# Altium PCB R3D903.PcbDoc (continued)
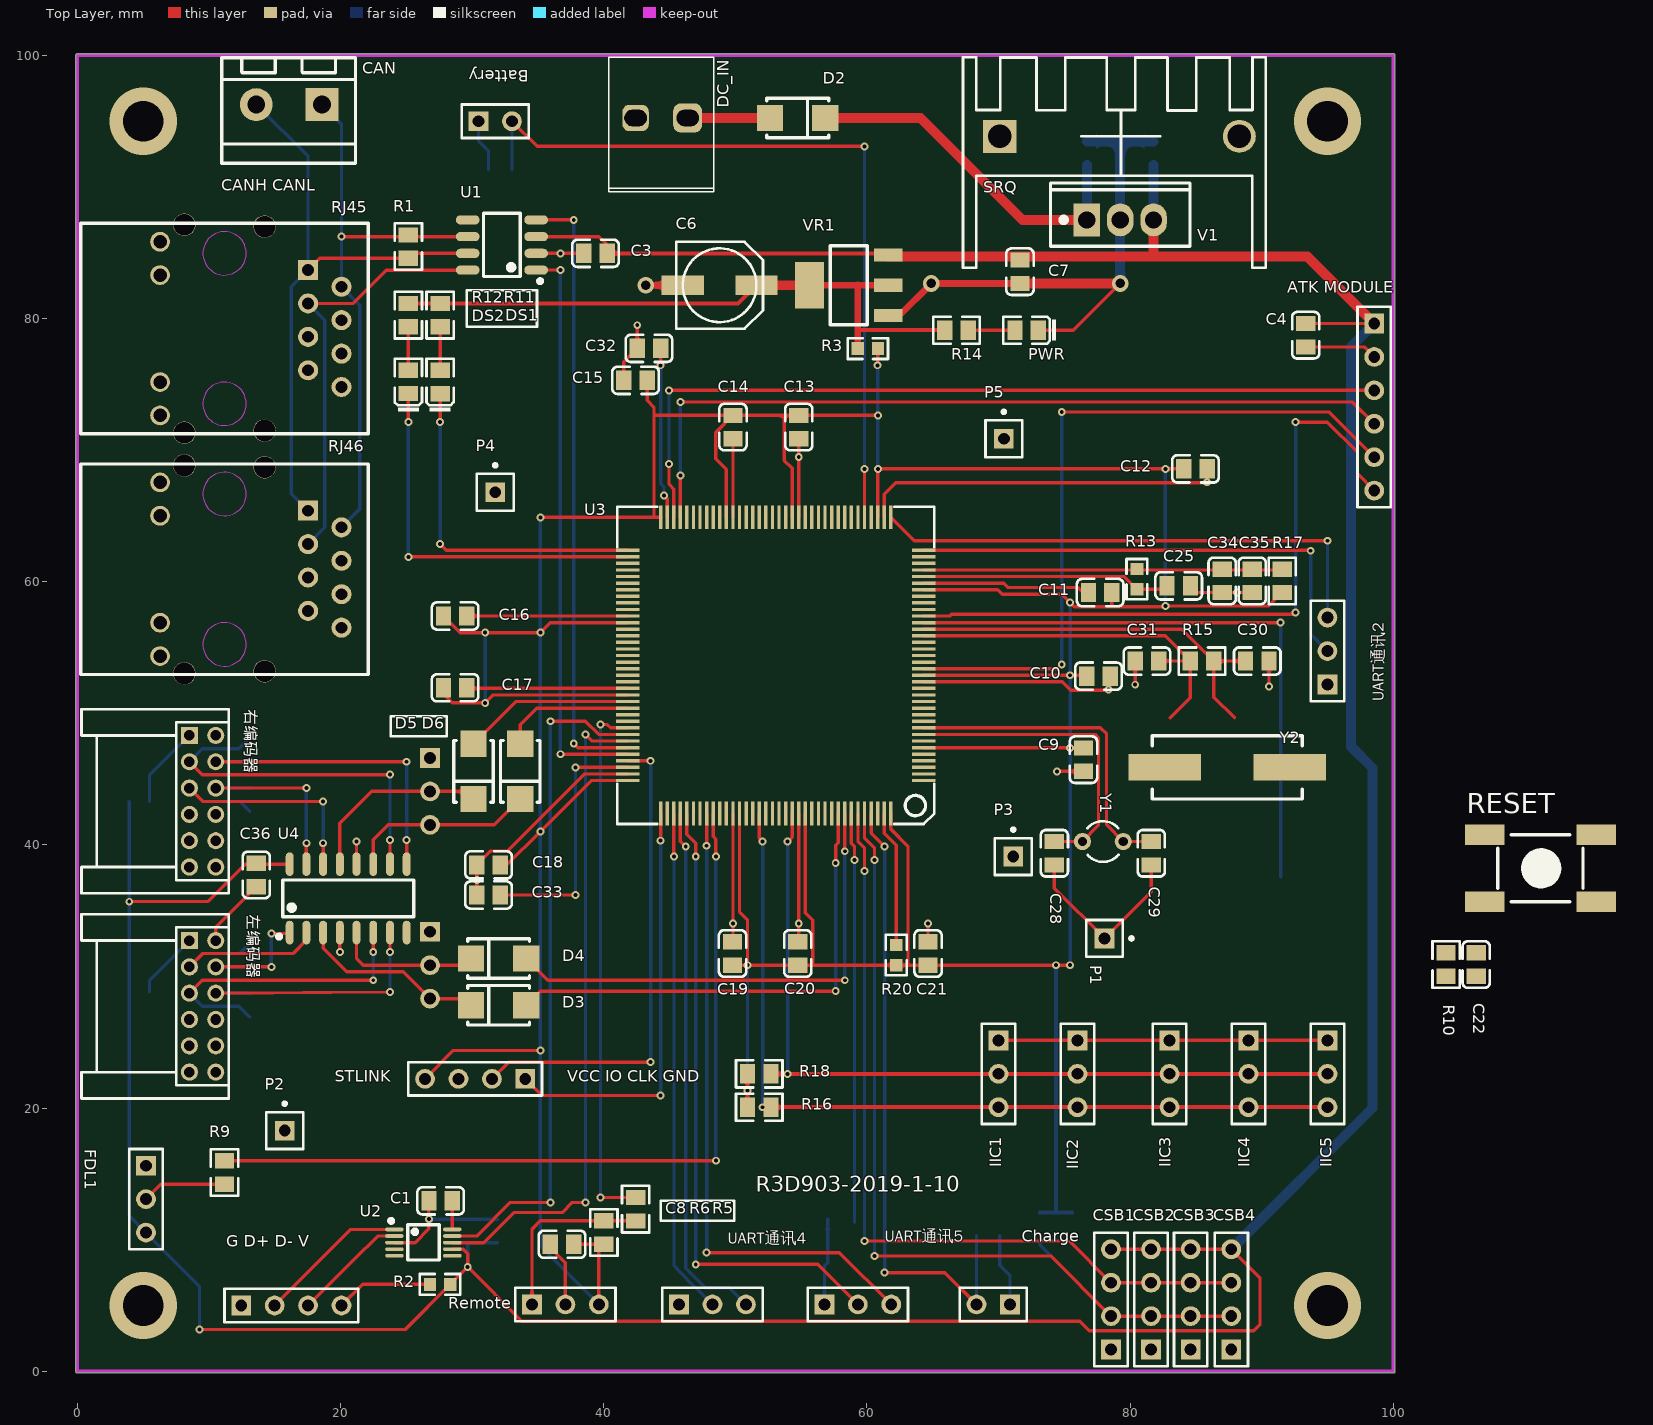
[diagram p0: Top Layer view]
## Footprints (in the part's own frame and the unit in brackets; to place one, negate y for a bottom-side part, rotate by r counter-clockwise, add the part's x,y. Pads: shape width x height; smd on the part's side, far side on the other; paste and mask are expansions set on the pad) (continued)
KEY_M [mm]
  rect 3x1.575 smd: 1(0,0) 1(8.5,0) 2(0,-5.08) 2(8.5,-5.08)
  silkscreen extent 1,-5.08 7.48,0
LC-0603_R [mm]
  rect 0.93x0.98 smd: 1(-0.77,0) 2(0.77,0)
  silkscreen extent -1.54,-0.79 1.54,0.79, body extent -0.85,-0.4 0.85,0.4, height 0.56
LC-0805_C [mm]
  rect 1.16x1.47 smd: 1(-0.89,0) 2(0.89,0)
  silkscreen extent -1.77,-1.04 1.77,1.04, body extent -1,-0.62 1,0.63, height 0.77
LC-0805_LED_S1 [mm]
  rect 1.16x1.47 smd: A(0.89,0) K(-0.89,0)
  silkscreen extent -2.25,-1.04 1.77,1.03, body extent -1.01,-0.62 1.01,0.62, height 1.1
LC-0805_R [mm]
  rect 1.16x1.47 smd: 1(-0.89,0) 2(0.89,0)
  silkscreen extent -1.77,-1.04 1.77,1.03, body extent -1,-0.62 1,0.63, height 0.49
LC-HC-49SMD [mm]
  rect 5.5x2 smd: 1(-4.75,0) 2(4.75,0)
  silkscreen extent -5.7,-2.4 5.7,2.4, body extent -6.7,-2.46 6.7,2.44, height 4
LC-MSOP-10 [mm]
  oval 0.28x1.4 smd mask+0.051: 1(-1,-2.2) 2(-0.5,-2.2) 3(0,-2.2) 4(0.5,-2.2) 5(1,-2.2) 6(1,2.2) 7(0.5,2.2) 8(0,2.2) 9(-0.5,2.2) 10(-1,2.2)
  silkscreen extent -1.8,-2.6 1.33,1.2
LC-SMA(DO-214AC)_S1 [mm]
  rect 2x2 smd: 1(2.1,0) 2(-2.1,0)
  silkscreen extent -2.35,-1.5 2.35,1.5
LC-SOIC-8_150mil [mm]
  oval 0.7x1.8 smd: 1(-1.905,-2.6) 2(-0.635,-2.6) 3(0.635,-2.6) 4(1.905,-2.6) 5(1.905,2.6) 6(0.635,2.6) 7(-0.635,2.6) 8(-1.905,2.6)
  silkscreen extent -2.9,-3.05 2.4,1.4
LC-SOIC-16_150mil [mm]
  oval 0.6x1.8 smd: 1(-4.445,-2.6) 2(-3.175,-2.6) 3(-1.905,-2.6) 4(-0.635,-2.6) 5(0.635,-2.6) 6(1.905,-2.6) 7(3.175,-2.6) 8(4.445,-2.6) 9(4.445,2.6) 10(3.175,2.6) 11(1.905,2.6) 12(0.635,2.6) 13(-0.635,2.6) 14(-1.905,2.6) 15(-3.175,2.6) 16(-4.445,2.6)
  silkscreen extent -5.4,-3.05 4.97,1.4
LC-SOT-223 [mm]
  rect 2.2x1 smd: 1(3,-2.3) 2(3,0) 3(3,2.3)
  rect 2.2x3.5 smd: 2(-3,0)
  silkscreen extent -1.4,-3 1.4,3, body extent -3.49,-3.24 3.49,3.24, height 1.64
LC-TO-220(TO-220-3) [mm]
  rect 2x2.5 hole 1.3: 1(-2.54,0)
  oval 2x2.5 hole 1.3: 2(0,0) 3(2.54,0)
  silkscreen extent -5.3,-2 5.3,2.8, body extent -5.08,-1.45 5.08,2.9, height 19.6
LQFP144 [mm]
  rect 1.8x0.254 smd: 1(-0.009,0.001) 2(-0.009,-0.499) 3(-0.009,-0.999) 4(-0.009,-1.499) 5(-0.009,-1.999) 6(-0.009,-2.499) 7(-0.009,-2.999) 8(-0.009,-3.499) 9(-0.009,-3.999) 10(-0.009,-4.499) 11(-0.009,-4.999) 12(-0.009,-5.499) 13(-0.009,-5.999) 14(-0.009,-6.499) 15(-0.009,-6.999) 16(-0.009,-7.499) 17(-0.009,-7.999) 18(-0.009,-8.499) 19(-0.009,-8.999) 20(-0.009,-9.499) 21(-0.009,-9.999) 22(-0.009,-10.499) 23(-0.009,-10.999) 24(-0.009,-11.499) 25(-0.009,-11.999) 26(-0.009,-12.499) 27(-0.009,-12.999) 28(-0.009,-13.499) 29(-0.009,-13.999) 30(-0.009,-14.499) 31(-0.009,-14.999) 32(-0.009,-15.499) 33(-0.009,-15.999) 34(-0.009,-16.499) 35(-0.009,-16.999) 36(-0.009,-17.499) 73(22.491,-17.499) 74(22.491,-16.999) 75(22.491,-16.499) 76(22.491,-15.999) 77(22.491,-15.499) 78(22.491,-14.999) 79(22.491,-14.499) 80(22.491,-13.999) 81(22.491,-13.499) 82(22.491,-12.999) 83(22.491,-12.499) 84(22.491,-11.999) 85(22.491,-11.499) 86(22.491,-10.999) 87(22.491,-10.499) 88(22.491,-9.999) 89(22.491,-9.499) 90(22.491,-8.999) 91(22.491,-8.499) 92(22.491,-7.999) 93(22.491,-7.499) 94(22.491,-6.999) 95(22.491,-6.499) 96(22.491,-5.999) 97(22.491,-5.499) 98(22.491,-4.999) 99(22.491,-4.499) 100(22.491,-3.999) 101(22.491,-3.499) 102(22.491,-2.999) 103(22.491,-2.499) 104(22.491,-1.999) 105(22.491,-1.499) 106(22.491,-0.999) 107(22.491,-0.499) 108(22.491,0.001)
  rect 0.254x1.8 smd: 37(2.491,-19.999) 38(2.991,-19.999) 39(3.491,-19.999) 40(3.991,-19.999) 41(4.491,-19.999) 42(4.991,-19.999) 43(5.491,-19.999) 44(5.991,-19.999) 45(6.491,-19.999) 46(6.991,-19.999) 47(7.491,-19.999) 48(7.991,-19.999) 49(8.491,-19.999) 50(8.991,-19.999) 51(9.491,-19.999) 52(9.991,-19.999) 53(10.491,-19.999) 54(10.991,-19.999) 55(11.491,-19.999) 56(11.991,-19.999) 57(12.491,-19.999) 58(12.991,-19.999) 59(13.491,-19.999) 60(13.991,-19.999) 61(14.491,-19.999) 62(14.991,-19.999) 63(15.491,-19.999) 64(15.991,-19.999) 65(16.491,-19.999) 66(16.991,-19.999) 67(17.491,-19.999) 68(17.991,-19.999) 69(18.491,-19.999) 70(18.991,-19.999) 71(19.491,-19.999) 72(19.991,-19.999) 109(19.991,2.501) 110(19.491,2.501) 111(18.991,2.501) 112(18.491,2.501) 113(17.991,2.501) 114(17.491,2.501) 115(16.991,2.501) 116(16.491,2.501) 117(15.991,2.501) 118(15.491,2.501) 119(14.991,2.501) 120(14.491,2.501) 121(13.991,2.501) 122(13.491,2.501) 123(12.991,2.501) 124(12.491,2.501) 125(11.991,2.501) 126(11.491,2.501) 127(10.991,2.501) 128(10.491,2.501) 129(9.991,2.501) 130(9.491,2.501) 131(8.991,2.501) 132(8.491,2.501) 133(7.991,2.501) 134(7.491,2.501) 135(6.991,2.501) 136(6.491,2.501) 137(5.991,2.501) 138(5.491,2.501) 139(4.991,2.501) 140(4.491,2.501) 141(3.991,2.501) 142(3.491,2.501) 143(2.991,2.501) 144(2.491,2.501)
  silkscreen extent -0.81,-20.8 23.29,3.3
PHB_2x6_2.0 [mm] "Connector; Header; 6x2 Position"
  rect 1.3x1.3 hole 0.8: 1(0,0)
  round 1.3 hole 0.8: 2(0,2) 3(2,0) 4(2,2) 5(4,0) 6(4,2) 7(6,0) 8(6,2) 9(8,0) 10(8,2) 11(10,0) 12(10,2)
  silkscreen extent -2,-8.2 12,3
PIN1 [mm] "Connector; Plug"
  rect 1.5x1.5 hole 0.9: 1(0,0)
  silkscreen extent -1.4,-1.4 1.4,2.18
R38 [mm] "Crystal, Thru-Hole; 2 Leads; Body 3.1 x 8.2 mm (Dia.xH)"
  round 1.3 hole 0.7: 1(0,1.55) 2(0,-1.55)
  silkscreen extent -1.55,-1.19 1.55,1.17
RJ45 [mm]
  rect 1.524x1.524 hole 0.889: 1(10.168,-6.35)
  round 1.524 hole 0.889: 2(8.898,-8.89) 3(7.628,-6.35) 4(6.358,-8.89) 5(5.088,-6.35) 6(3.818,-8.89) 7(2.548,-6.35) 8(1.278,-8.89)
  round 1.5 hole 1.02: 9(12.318,4.9) 10(9.782,4.9) 11(1.654,4.9) 12(-0.882,4.9)
  round 1.7 hole 1.65: 13(13.468,-3.048) 13(13.605,3.05) 14(-2.2,3.05) 14(-2.032,-3.048)
  Keep-Out Layer circle w0.051: c11.434,0 r1.65
  Keep-Out Layer circle w0.051: c0.004,0 r1.65
  silkscreen extent -2.28,-10.92 13.72,10.92
"VH-2A - Circle Hole" [mm] "Header 2 use for Power"
  rrect50% 2.2x2.2 hole 1.24 slot 1.7 at 0 deg: 1(0,0)
  rrect50% 2x2 hole 1.24 slot 1.7 at 0 deg: 2(3.96,0)
  silkscreen extent -1.98,-4.6 6.02,5.61

## Part data
"ATK MODULE": "Header, 6-Pin", LatestRevisionDate=17-Jul-2002, LatestRevisionNote="Re-released for DXP Platform.", Publisher="Altium Limited"
Battery Charge: "Header, 2-Pin", LatestRevisionDate=17-Jul-2002, LatestRevisionNote="Re-released for DXP Platform.", Publisher="Altium Limited"
C1 C2 C3 C4 C8 C9 C10 C11 C12 C13 C14 C15 C16 C17 C18 C19 C20 C21 C22 C24 C35: library part "0805 100nF(104) 10% 50V", "贴片电容", Package=0805, SuppliersPartNumber=C49678, ComponentLink1Description=供应商链接, ComponentLink1URL=http://www.szlcsc.com/product/details_50686.html, Supplier=LC
C5 C7 C34: library part "0805 10uF (106) 10% 25V", "贴片电容", Package=0805, SuppliersPartNumber=C15850, ComponentLink1Description=供应商链接, ComponentLink1URL=http://www.szlcsc.com/product/details_16532.html, Supplier=LC
C6: library part CAP
C23: library part "0805 330nF (334) 10% 50V", "贴片电容", Package=0805, SuppliersPartNumber=C1740, ComponentLink1Description=供应商链接, ComponentLink1URL=http://www.szlcsc.com/product/details_2092.html, Supplier=LC
C25 C32 C33: library part "0805 2.2uF (225) 20% 50V", "贴片电容", Package=0805, SuppliersPartNumber=C49217, ComponentLink1Description=供应商链接, ComponentLink1URL=http://www.szlcsc.com/product/details_50225.html, Supplier=LC
C26 C27 C36: library part "0805 1uF (105) 10% 50V", "贴片电容", Package=0805, SuppliersPartNumber=C28323, ComponentLink1Description=供应商, ComponentLink1URL=http://www.szlcsc.com/product/details_29074.html, Supplier=LC
C28 C29: library part "0805 1.0pF (010) 0.25pF 50V", "贴片电容", Package=0805, SuppliersPartNumber=C14971, ComponentLink1Description=供应商链接, ComponentLink1URL=http://www.szlcsc.com/product/details_15644.html, Supplier=LC
C30 C31: library part "0805 22pF (220) 5% 50V", "贴片电容", Package=0805, SuppliersPartNumber=C1804, ComponentLink1Description=供应商链接, ComponentLink1URL=http://www.szlcsc.com/product/details_2156.html, Supplier=LC
CAN: library part HEAD2
CSB1 CSB2 CSB3 CSB4 "G D+ D- V" STLINK: "Header, 4-Pin", LatestRevisionDate=17-Jul-2002, LatestRevisionNote="Re-released for DXP Platform.", Publisher="Altium Limited"
D2 D3 D4 D5 D6: library part "SMA(DO-214AC) SS210", "二极管", Package=SMA(DO-214AC), SuppliersPartNumber=C14996, ComponentLink1Description=供应商链接, ComponentLink1URL=http://www.szlcsc.com/product/details_15669.html, Supplier=LC
DC_IN: "贴片2p座"
DS1: library part "0805 红灯", "发光二极管", Package=0805, SuppliersPartNumber=C2295, ComponentLink1Description=供应商链接, ComponentLink1URL=http://www.szlcsc.com/product/details_2668.html, Supplier=LC
DS2: library part "0805 翠绿", "发光二极管", Package=0805, SuppliersPartNumber=C2297, ComponentLink1Description=供应商链接, ComponentLink1URL=http://www.szlcsc.com/product/details_2670.html, Supplier=LC
FDL1 IIC1 IIC2 IIC3 IIC4 IIC5 LEFT_IN Remote RIGHT_IN UART通讯2 UART通讯4 UART通讯5: "Header, 3-Pin", LatestRevisionDate=17-Jul-2002, LatestRevisionNote="Re-released for DXP Platform.", Publisher="Altium Limited"
PWR: library part "0805 蓝灯", "发光二极管", Package=0805, SuppliersPartNumber=C2293, ComponentLink1Description=供应商链接, ComponentLink1URL=http://www.szlcsc.com/product/details_2666.html, Supplier=LC
R1 R23 R24 R25 R26: library part "0805 120Ω (1200) 1%", "贴片电阻", Package=0805, SuppliersPartNumber=C17437, ComponentLink1Description=供应商链接, ComponentLink1URL=http://www.szlcsc.com/product/details_18125.html, Supplier=LC
R2: library part "0603 1Ω (1R00) 1%", "贴片电阻", Package=0603, SuppliersPartNumber=C22936, ComponentLink1Description=供应商链接, ComponentLink1URL=http://www.szlcsc.com/product/details_23663.html, Supplier=LC
R3 R13 R20 R21 R22: library part "0603 0Ω (0R0) 1%", "贴片电阻", Package=0603, SuppliersPartNumber=C21189, ComponentLink1URL=http://www.szlcsc.com/product/details_21903.html, Supplier=LC
  R3 R13 R20: ComponentLink1Description=供应商链接
  R21 R22: ComponentLink1Description=供应商
R4 R6 R7 R9 R16 R18: library part "0805 4.7KΩ (4701) 1%", "贴片电阻", Package=0805, SuppliersPartNumber=C17673, ComponentLink1URL=http://www.szlcsc.com/product/details_18361.html, Supplier=LC
  R4 R7 R9: ComponentLink1Description=供应商
  R6 R16 R18: ComponentLink1Description=供应商链接
R5: library part "0805 1KΩ (1001) 1%", "贴片电阻", Package=0805, SuppliersPartNumber=C17513, ComponentLink1Description=供应商链接, ComponentLink1URL=http://www.szlcsc.com/product/details_18201.html, Supplier=LC
R10 R19: library part "0805 10KΩ (1002) 1%", "贴片电阻", Package=0805, SuppliersPartNumber=C17414, ComponentLink1Description=供应商链接, ComponentLink1URL=http://www.szlcsc.com/product/details_18102.html, Supplier=LC
R11 R12 R14: library part "0805 510KΩ (5103) 1%", "贴片电阻", Package=0805, SuppliersPartNumber=C17733, ComponentLink1Description=供应商链接, ComponentLink1URL=http://www.szlcsc.com/product/details_18421.html, Supplier=LC
R15: library part "0805 1MΩ (1004) 1%", "贴片电阻", Package=0805, SuppliersPartNumber=C17514, ComponentLink1Description=供应商链接, ComponentLink1URL=http://www.szlcsc.com/product/details_18202.html, Supplier=LC
R17: library part "0805 10Ω (10R0) 1%", "贴片电阻", Package=0805, SuppliersPartNumber=C17415, ComponentLink1Description=供应商链接, ComponentLink1URL=http://www.szlcsc.com/product/details_18103.html, Supplier=LC
SRQ: library part Hot_Clear
U1: "CAN", Package=SOIC-8_150mil, SuppliersPartNumber=C6952, ComponentLink1Description=供应商链接, ComponentLink1URL=http://www.szlcsc.com/product/details_7424.html, Supplier=LC
U2: "USB", Package=SOIC-16_150mil, SuppliersPartNumber=C14267, ComponentLink1Description=供应商链接, ComponentLink1URL=http://www.szlcsc.com/product/details_14927.html, Supplier=LC
U4: "接口芯片", Package=SOIC-16_150mil, SuppliersPartNumber=C6180, ComponentLink1Description=供应商链接, ComponentLink1URL=http://www.szlcsc.com/product/details_6646.html, Supplier=LC
V1: "Power Chip"
VR1: library part "SOT-223 AMS1117-3.3", "低压差线性稳压(LDO)", Package=SOT-223, SuppliersPartNumber=C6186, ComponentLink1Description=供应商链接, ComponentLink1URL=http://www.szlcsc.com/product/details_6652.html, Supplier=LC
Y1 Y2: library part XTAL, "Crystal Oscillator", LatestRevisionDate=17-Jul-2002, LatestRevisionNote="Re-released for DXP Platform.", Published=8-Jun-2000, Publisher="Altium Limited"
  Y1: PackageDescription="Crystal, Thru-Hole; 2 Leads; Body 3.1 x 8.2 mm (Dia.xH)", PackageReference=R38
右编码器 左编码器: "Header, 6-Pin, Dual row", LatestRevisionDate=17-Jul-2002, LatestRevisionNote="Re-released for DXP Platform.", Publisher="Altium Limited"
P1 P2 P3 P4 P5: LatestRevisionDate=17-Jul-2002, LatestRevisionNote="Re-released for DXP Platform.", Publisher="Altium Limited"

## Via types
v1: diameter 0.6, hole 0.3, Top Layer to Bottom Layer, 110 vias
v2: diameter 5.1, hole 3.1, Top Layer to Bottom Layer, 4 vias
v3: diameter 1.27, hole 0.711, Top Layer to Bottom Layer, 3 vias

## Nets (pads, with @x,y where several pads share a name; then routed paths per layer and width w, separated by ;. In a path a pad name is that pad's centre, name@x,y a point inside that pad or via, vN(x,y) a via of type N, cw(c..) or ccw(c..) an arc to the next point about the centre after c; other vN are vias at no path point)
+3.3: C6.1 R3.1 R11.2 R12.2 R14.2 VR1.2 | length 48.5
  Top Layer w0.305: R12.2 50.211,81.153 C6.1 ; 59.309,79.121 R14.2
  Top Layer w0.508: VR1.2@55.619,82.536 59.309,82.536 ; R3.1 59.309,77.74 59.309,79.121 59.309,82.536 ; 59.309,82.55 59.309,82.536 ; VR1.2@61.619,82.536 59.309,82.536
  Top Layer w0.711: C6.1 VR1.2@55.619,82.536
+5: "ATK MODULE.1" C2.1 C3.1 C4.2 C5.1 C7.2 C24.2 C36.2 CSB1.4 CSB2.4 CSB3.4 CSB4.4 FDL1.3 R2.1 R21.2 R22.2 U1.3 U2.7 U4.16 V1.3 VR1.3 | length 318.1
  Top Layer w0.254: v1(3.937,35.687) 3.957,35.707 9.926,35.707 12.76,38.541 U4.16 ; v1(9.271,3.175) 24.9,3.175 R2.1 v1(29.658,7.933) ; U2.7 29.321,9.279 29.658,8.942 v1(29.658,7.933) ; U1.3 39.624,86.233 40.26,85.597 C3.1 ; CSB1.4 CSB2.4 CSB3.4 CSB4.4 89.877,7.085 89.877,3.56 89.408,3.091 76.879,3.091 76.16,3.81 33.781,3.81 v1(29.658,7.933) ; C4.2 98.552,79.629
  Top Layer w0.305: C3.1 61.492,84.963 VR1.3
  Top Layer w0.762: VR1.3@61.619,84.709 81.788,84.709 ; V1.3 81.788,84.709 ; 98.552,79.629 93.472,84.709 81.788,84.709
  Bottom Layer w0.254: v1@3.929,35.441 R22.2 ; v1(3.937,35.687) 3.937,28.837 R21.2 3.929,11.819 FDL1.3 9.271,6.477 v1(9.271,3.175) ; v1(29.658,7.933) 29.658,9.76 C5.1 C2.1
  Bottom Layer w0.762: V1.3 C24.2 ; CSB4.4 98.425,20.005 98.425,45.847 96.774,47.498 96.774,77.851 98.552,79.629
A+1: R23.1 U4.2 左编码器.3 | length 15.6
  Top Layer w0.254: 左编码器.3 9.525,31.75 16.383,31.75 17.399,32.766 U4.2
  Bottom Layer w0.254: 左编码器.3 9.525,31.75 12.319,31.75 R23.1
A+2: R26.1 U4.10 右编码器.3 | length 27.8
  Top Layer w0.254: 右编码器.3 9.489,45.343 23.734,45.343 v1(23.749,45.358) ; U4.10 v1(23.749,40.386)
  Bottom Layer w0.254: 右编码器.3 9.489,47.303 12.25,47.303 R26.1 ; v1(23.749,40.386) v1@23.749,45.339
A-1: R23.2 U4.1 左编码器.4 | length 10.8
  Top Layer w0.254: 左编码器.4 v1(14.732,30.734) ; v1(14.732,33.274) 16.062,33.274 U4.1
  Bottom Layer w0.254: 左编码器.4 13.079,30.734 R23.2 ; v1(14.732,30.734) v1(14.732,33.274)
A-2: R26.2 U4.9 右编码器.4 | length 24.9
  Top Layer w0.254: 右编码器.4 v1(25.019,46.323) ; U4.9 v1(25.019,40.386)
  Bottom Layer w0.254: 右编码器.4 13.05,46.323 R26.2 ; v1(25.019,40.386) v1(25.019,46.323)
B+1: R25.2 U4.6 左编码器.5 | length 23.3
  Top Layer w0.254: 左编码器.5 9.493,29.718 v1(22.479,29.718) ; v1(22.479,31.877) U4.6
  Bottom Layer w0.254: 左编码器.5 9.489,27.754 12.25,27.754 R25.2 ; v1(22.479,29.718) v1(22.479,31.877)
B+2: R24.2 U4.14 右编码器.5 | length 20.8
  Top Layer w0.254: 右编码器.5 9.525,43.307 v1(18.669,43.307) ; U4.14@18.669,38.356 U4.14 v1(18.669,40.132)
  Bottom Layer w0.254: 右编码器.5 9.525,43.307 12.331,43.307 R24.2 ; v1(18.669,40.132) v1(18.669,43.307)
B-1: R25.1 U4.7 左编码器.6 | length 20.3
  Top Layer w0.254: 左编码器.6 v1(23.749,28.829) ; v1(23.749,31.877) U4.7
  Bottom Layer w0.254: 左编码器.6 13.05,28.734 R25.1 ; v1(23.749,28.829) v1(23.749,31.877)
B-2: R24.1 U4.15 右编码器.6 | length 15.2
  Top Layer w0.254: 右编码器.6 v1(17.399,44.323) ; U4.15 v1(17.399,40.132)
  Bottom Layer w0.254: 右编码器.6 13.067,44.323 R24.1 ; v1(17.399,40.132) v1(17.399,44.323)
Battery: Battery.2 C27.2 U3.41 | length 59.5
  Top Layer w0.254: Battery.2 34.929,93.091 v1(59.817,93.091) ; U3.41 v1(59.816,68.579)
  Bottom Layer w0.254: Battery.2 C27.2 C27.2 ; v1(59.816,68.579) v1(59.816,68.579) v1(59.817,93.091)
BOOT0: R19.2 U3.138 | length 31.2
  Top Layer w0.254: U3.138 58.816,40.117 59.055,39.878 v1(59.055,38.862)
  Bottom Layer w0.254: R19.2@59.055,11.303 v1(59.055,38.862)
BOOT1: U3.48
CAN_H: CAN.2 R1.2 RJ45.1 RJ46.1 U1.7 | length 46.2
  Top Layer w0.254: RJ45.1 18.414,84.581 R1.2 25.528,84.963 U1.7
  Bottom Layer w0.254: CAN.2 17.526,92.329 RJ45.1 16.256,82.423 16.256,66.675 RJ46.1
CAN_L: CAN.1 R1.1 RJ45.2 RJ46.2 U1.6 | length 43.5
  Top Layer w0.254: v1(20.066,86.233) U1.6
  Bottom Layer w0.254: CAN.1 20.066,94.789 v1(20.066,86.233) RJ45.2 21.463,81.026 21.463,65.532 RJ46.2
CAN_RX: U1.4 U3.103 | length 46.9
  Top Layer w0.254: U1.4 v1(37.719,87.503) ; v1(37.719,47.701) 38.023,47.397 U3.103
  Bottom Layer w0.254: v1(37.719,47.701) v1(37.719,87.503)
CAN_TX: U1.1 U3.104 | length 43.8
  Top Layer w0.254: U1.1 v1(36.703,83.693) ; v1(36.703,46.897) U3.104
  Bottom Layer w0.254: v1(36.703,46.897) v1(36.703,83.693)
Charge: C26.2 Charge.2 U3.141 | length 48.6
  Top Layer w0.254: U3.141 60.316,40.903 v1(61.328,39.891) ; v1(61.341,7.493) 65.913,7.493 Charge.2
  Bottom Layer w0.254: v1@61.278,39.941 61.341,39.878 v1(61.341,7.493) ; C26.2 68.326,10.285 Charge.2
FDL1: R9.2 U3.117 | length 63.8
  Top Layer w0.254: R9.2 v1(48.514,16.002) ; U3.117 48.316,40.648 48.514,40.45 v1(48.514,39.116)
  Bottom Layer w0.254: v1(48.514,16.002) v1(48.514,39.116)
GBC_KEY: "ATK MODULE.5" U3.18 | length 55
  Top Layer w0.254: U3.18 74.479,53.397 v1(74.803,53.721) ; v1(74.803,72.898) 95.123,72.898 98.552,69.469
  Bottom Layer w0.254: v1(74.803,53.721) v1(74.803,72.898)
GBC_LED: "ATK MODULE.6" U3.26 | length 51.9
  Top Layer w0.254: U3.26 66.287,57.397 66.426,57.536 92.461,57.536 v1(92.583,57.658) ; v1(92.583,72.136) 94.996,72.136 97.282,69.85 97.282,68.199 98.552,66.929
  Bottom Layer w0.254: v1(92.583,57.658) v1(92.583,72.136)
GBC_RX: "ATK MODULE.4" U3.69 | length 62.2
  Top Layer w0.254: U3.69 v1(45.816,68.072) ; v1(45.816,73.66) 96.901,73.66 98.552,72.009
  Bottom Layer w0.254: v1(45.816,68.072) v1(45.816,73.66)
GBC_TX: "ATK MODULE.3" U3.70 | length 63.4
  Top Layer w0.254: v1(44.958,68.961) 44.958,67.394 45.316,67.036 U3.70 ; v1(44.958,74.549) 98.552,74.549
  Bottom Layer w0.254: v1(44.958,68.961) v1(44.958,74.549)
GND: "ATK MODULE.2" "G D+ D- V.1" Battery.1 C1.2 C2.2 C3.2 C4.1 C5.2 C6.2 C7.1 C8.1 C9.2 C10.2 C11.2 C12.2 C13.2 C14.2 C15.2 C16.2 C17.2 C18.2 C19.2 C20.2 C21.2 C22.1 C23.1 C24.1 C25.1 C26.1 C27.1 C28.1 C29.1 C30.1 C31.1 C32.2 C33.2 C34.1 C35.1 C36.1 Charge.1 CSB1.1 CSB2.1 CSB3.1 CSB4.1 DC_IN.2 FDL1.1 IIC1.1 IIC2.1 IIC3.1 IIC4.1 IIC5.1 LEFT_IN.1 P1.1 P2.1 P3.1 P4.1 P5.1 PWR.K R19.1 Remote.2 RESET.2 RIGHT_IN.1 RJ45.3 RJ46.3 STLINK.3 U1.2 U1.8 U2.3 U3.16 U3.31 U3.38 U3.51 U3.61 U3.83 U3.94 U3.107 U3.120 U3.130 U4.4 U4.8 U4.12 UART通讯2.1 UART通讯4.1 UART通讯5.1 V1.2 VR1.1 右编码器.2 左编码器.2 | length 311.3
  Top Layer w0.254: 左编码器.2 10.509,33.749 C36.1 ; RJ45.3 20.955,81.153 23.473,83.671 29.636,83.671 U1.8 ; v1(19.939,31.877) U4.4 ; U4.12 v1(21.209,40.259) ; U2.3 25.273,9.779 ; U2.3@24.765,9.779 25.273,9.779 ; C1.2 v1(26.709,11.557) 26.709,10.834 25.654,9.779 25.273,9.779 ; C17.2 29.637,51.897 U3.94 ; C16.2 29.598,57.397 U3.83 ; C33.2 30.353,36.197 v1(30.353,37.339) C18.2 30.353,38.483 31.416,39.546 32.688,39.546 38.539,45.397 U3.107 ; U1.2 v1(36.703,84.963) C3.2 ; C8.1 35.941,9.398 37.084,8.255 Remote.2 ; C15.2 41.527,76.724 C32.2 v1(42.543,79.5) ; C19.2 49.816,32.672 v1(49.816,34.036) U3.120 ; U3.61 C14.2 ; C20.2 54.816,32.719 v1(54.816,34.036) U3.130 ; U3.51 v1(54.816,69.469) C13.2 ; U3.38 61.316,66.65 62.181,67.515 85.803,67.515 v1(85.852,67.564) C12.2 C12.2 ; U3.16 74.857,52.397 75.487,51.767 78.31,51.767 v1(78.359,51.816) 78.359,52.704 C10.2 C10.2@78.487,52.83 ; U3.31 70.405,59.897 70.739,59.563 76.072,59.563 C11.2@76.453,59.182 ; C21.2 v1(64.643,34.036) ; IIC1.1 IIC2.1 IIC3.1 IIC5.1 ; PWR.K 75.693,79.121 v3(79.248,82.677) ; C28.1 74.244,36.703 P1.1 81.61,36.449 C29.1 ; v1(74.446,45.592) C9.2 ; v1(80.388,52.179) C31.1 ; C25.1 85.093,59.18 C34.1 C35.1 C35.1 ; v1(90.551,52.055) C30.1 ; C4.1 97.792,77.849 98.552,77.089
  Top Layer w0.508: v3(43.194,82.536) C6.2 ; VR1.1 62.456,80.236 v3(64.897,82.677) C7.1
  Top Layer w0.762: C7.1 v3(79.248,82.677)
  Bottom Layer w0.254: RJ46.3 18.796,64.135 18.796,79.883 RJ45.3 ; v1(26.709,11.557) 31.924,11.557 C2.2 ; Battery.1 30.48,93.472 31.241,92.711 C27.1 ; UART通讯5.1 56.769,8.001 57.021,8.253 R19.1 ; C26.1 70.104,8.066 70.866,7.304 Charge.1
  Bottom Layer w0.762: C23.1 79.248,93.473 ; v3(79.248,82.677) V1.2 79.248,93.473 ; C24.1 79.248,93.473
  other v1: 88.138,59.181
I2C_SCL: CSB1.3 CSB2.3 CSB3.3 CSB4.3 R4.1 U3.139 | length 66.7
  Top Layer w0.254: U3.139 59.316,40.264 59.816,39.764 v1(59.816,38.024) ; v1(59.816,9.906) 75.372,9.906 CSB1.3 CSB2.3 CSB3.3 CSB4.3
  Bottom Layer w0.254: v1(59.816,9.906) v1(59.816,38.024) ; R4.1 75.565,9.713 CSB1.3
I2C_SDA: CSB1.2 CSB2.2 CSB3.2 CSB4.2 R7.2 U3.140 | length 71.3
  Top Layer w0.254: U3.140 59.817,42.396 59.817,40.511 60.577,39.751 v1(60.577,38.864) ; v1(60.577,8.765) 73.973,8.765 CSB1.2 CSB2.2 CSB3.2 CSB4.2
  Bottom Layer w0.254: v1(60.577,8.765) v1(60.577,38.864) ; R7.2 73.152,9.586 CSB1.2
IIC_SCL: IIC1.3 IIC2.3 IIC3.3 IIC4.3 IIC5.3 R16.1 U3.124 | length 65.4
  Top Layer w0.254: U3.124 51.816,40.513 v1(52.07,40.259) ; v1(52.07,20.066) R16.1
  Top Layer w0.305: R16.1 IIC2.3 IIC5.3
  Bottom Layer w0.254: v1(52.07,20.066) v1(52.07,40.259)
IIC_SDA: IIC1.2 IIC2.2 IIC3.2 IIC4.2 IIC5.2 R18.2 U3.129 | length 62.2
  Top Layer w0.254: v1(53.975,40.259) 54.316,40.6 U3.129
  Top Layer w0.305: R18.2 IIC1.2 IIC2.2 IIC3.2 IIC4.2 IIC5.2
  Bottom Layer w0.254: v1(53.975,22.606) v1(53.975,40.259)
LED0: DS1.K U3.73 | length 25.9
  Top Layer w0.254: v1(27.559,62.865) 28.027,62.397 U3.73 ; v1(27.559,72.136) DS1.K
  Bottom Layer w0.254: v1(27.559,62.865) v1(27.559,72.136)
LED1: DS2.K U3.74 | length 29.1
  Top Layer w0.254: v1(25.146,61.897) U3.74 ; v1(25.146,72.136) DS2.K
  Bottom Layer w0.254: v1(25.146,61.897) v1(25.146,72.136)
Left_1: D3.2 LEFT_IN.3 U4.3 | length 14.2
  Top Layer w0.254: U4.3 18.669,32.131 20.447,30.353 24.765,30.353 LEFT_IN.3 29.396,28.321 D3.2
Left_2: D4.2 LEFT_IN.2 U4.5 | length 11.1
  Top Layer w0.254: U4.5 21.209,31.369 21.717,30.861 LEFT_IN.2 29.396,30.861 D4.2
LEFT_DIR: U3.14
LEFT_PULSE: U3.20
NetC1_1: C1.1 U2.10 | length 2.2
  Top Layer w0.254: U2.10 C1.1
NetC23_2: C23.2 D2.2 V1.1 | length 27.3
  Top Layer w0.762: D2.2 64.076,95.25 71.823,87.503 V1.1
  Bottom Layer w0.762: V1.1 C23.2
NetC28_2: C28.2 U3.8 Y1.1 | length 23.9
  Top Layer w0.254: U3.8 77.333,48.397 77.597,48.133 77.597,41.479 Y1.1 C28.2
NetC29_2: C29.2 U3.9 Y1.2 | length 24.9
  Top Layer w0.254: U3.9 77.748,48.897 78.207,48.438 78.207,41.529 Y1.2 C29.2 C29.2
NetC30_2: C30.2 R15.1 U3.24 Y2.1 | length 30.4
  Top Layer w0.254: U3.24 83.94,56.397 86.36,53.977 R15.1 ; 87.937,49.657 86.36,51.234 R15.1 ; C30.2 R15.1
NetC31_2: C31.2 R15.2 U3.23 Y2.2 | length 28.4
  Top Layer w0.254: U3.23 82.658,55.897 R15.2 ; C31.2 R15.2 ; 83.057,49.657 84.58,51.18 R15.2
NetC32_1: C32.1 U3.71 | length 13
  Top Layer w0.254: v1(44.323,76.454) C32.1 ; v1(44.577,66.548) 44.816,66.309 U3.71
  Bottom Layer w0.254: v1(44.323,76.454) 44.323,67.437 44.577,67.183 v1(44.577,66.548)
NetC33_1: C33.1 U3.106 | length 19.4
  Top Layer w0.254: C33.1 v1(37.846,36.195) ; v1(37.846,45.897) U3.106
  Bottom Layer w0.254: v1(37.846,36.195) v1(37.846,45.897)
NetD2_1: D2.1 DC_IN.1 | length 6.3
  Top Layer w0.762: DC_IN.1 D2.1
NetD3_1: D3.1 U3.136 | length 37.6
  Top Layer w0.254: D3.1 35.183,28.892 v1(57.626,28.892) ; v1(57.626,38.64) 57.626,39.973 57.816,40.163 U3.136
  Bottom Layer w0.254: v1(57.626,28.892) v1(57.626,38.64)
NetD4_1: D4.1 U3.137 | length 37.6
  Top Layer w0.254: D4.1 35.755,29.718 v1(58.316,29.718) ; v1(58.316,39.52) U3.137
  Bottom Layer w0.254: v1(58.316,29.718) v1(58.316,39.52)
NetD5_1: D5.1 U3.96 | length 13.4
  Top Layer w0.254: D5.1@29.591,47.693 D5.1@29.845,47.947 ; D5.1 33.303,50.897 U3.96
NetD6_1: D6.1 U3.97 | length 10.5
  Top Layer w0.254: D6.1@33.147,47.693 D6.1@33.401,47.947 ; D6.1 33.655,49.149 34.903,50.397 U3.97
NetDS1_A: DS1.A R11.1 | length 3.3
  Top Layer w0.254: DS1.A@27.559,76.043 R11.1
NetDS2_A: DS2.A R12.1 | length 3.3
  Top Layer w0.254: DS2.A R12.1
NetFDL1_2: FDL1.2 R9.1 | length 6.4
  Top Layer w0.254: FDL1.2 6.348,14.222 R9.1
"NetG D+ D- V_2": "G D+ D- V.2" U2.1 | length 13.3
  Top Layer w0.254: 14.986,5 18.987,9.001 ; 17.693,7.707 18.987,9.001 ; U2.1 20.765,10.779 18.987,9.001
"NetG D+ D- V_3": "G D+ D- V.3" U2.2 | length 8.9
  Top Layer w0.254: 17.526,5 21.027,8.501 ; 20.908,8.382 21.027,8.501 ; U2.2 22.805,10.279 21.027,8.501
"NetG D+ D- V_4": "G D+ D- V.4" R2.2 | length 7.4
  Top Layer w0.254: 20.066,5 21.67,6.604 R2.2
NetPWR_A: PWR.A R14.1 | length 3.6
  Top Layer w0.254: R14.1 PWR.A
NetR5_2: R5.2 R6.1 Remote.1 | length 13.9
  Top Layer w0.254: Remote.1 34.544,10.795 35.181,11.432 R6.1 42.415,11.432 R5.2
NetR20_2: R20.2 U3.143 | length 10.4
  Top Layer w0.254: U3.143 61.316,40.886 62.23,39.972 R20.2
NetR21_1: R21.1 左编码器.1 | length 5.2
  Bottom Layer w0.254: R21.1 5.469,29.694 左编码器.1
NetR22_1: R22.1 右编码器.1 | length 6.3
  Bottom Layer w0.254: R22.1 5.469,45.283 右编码器.1
REMOTE_IN: R5.1 U3.100 | length 40.8
  Top Layer w0.254: v1(39.751,13.208) R5.1 R5.1 ; v1(39.751,49.149) 40.259,49.149 40.511,48.897 U3.100
  Bottom Layer w0.254: v1(39.751,13.208) v1(39.751,49.149)
RESET: C22.2 R10.2 RESET.1 U3.25 | length 46.5
  Top Layer w0.254: U3.25 v1(91.439,56.897)
  Bottom Layer w0.254: v1(91.439,56.897) 91.439,44.07 91.44,44.069 91.44,37.569
Right_1: D5.2 RIGHT_IN.2 U4.13 | length 14.5
  Top Layer w0.254: U4.13 19.939,41.656 22.352,44.069 RIGHT_IN.2 29.523,44.069 D5.2
Right_2: D6.2 RIGHT_IN.3 U4.11 | length 14.3
  Top Layer w0.254: U4.11 22.479,40.386 23.622,41.529 RIGHT_IN.3 31.691,41.529 D6.2
RIGHT_DIR: U3.15
RIGHT_PULSE: U3.21
SWCLK: STLINK.1 U3.109 | length 32.3
  Top Layer w0.254: STLINK.1 35.306,20.955 v1(44.323,20.955) ; v1@44.316,40.266 U3.109
  Bottom Layer w0.254: v1(44.323,20.955) v1(44.323,40.323)
SWDIO: STLINK.2 U3.105 | length 37.2
  Top Layer w0.254: STLINK.2 32.766,23.495 v1(43.561,23.495) ; U3.105 v1(43.561,46.397)
  Bottom Layer w0.254: v1(43.561,23.495) v1(43.561,46.397)
U2_RX: U3.37 UART通讯2.3 | length 39.8
  Top Layer w0.254: U3.37 63.594,63.119 v1(94.996,63.119)
  Bottom Layer w0.254: UART通讯2.3 v1(94.996,63.119)
U2_TX: U3.36 UART通讯2.2 | length 37.6
  Top Layer w0.254: U3.36 v1@93.726,62.397
  Bottom Layer w0.254: v1(93.726,62.357) 93.726,56.007 UART通讯2.2
U4_RX: U3.112 UART通讯4.3 | length 40.7
  Top Layer w0.254: U3.112 45.816,40.29 v1(46.228,39.878)
  Bottom Layer w0.254: v1(46.228,39.878) 46.228,7.823 47.701,6.35 49.53,6.35 UART通讯4.3 ; UART通讯4.3@50.99,5.271 UART通讯4.3@51.181,5.08
U4_TX: U3.111 UART通讯4.2 | length 38.8
  Top Layer w0.254: U3.111 45.316,39.139 v1(45.339,39.116)
  Bottom Layer w0.254: v1(45.339,39.116) 45.339,8.001 45.771,7.569 45.771,7.558 46.928,6.401 46.939,6.401 UART通讯4.2 ; UART通讯4.2@48.45,5.271 UART通讯4.2@48.641,5.08
U5_RX: U3.116 UART通讯5.3 | length 49.1
  Top Layer w0.254: v1(47.816,9.017) 57.912,9.017 UART通讯5.3 ; v1(47.816,39.941) U3.116
  Bottom Layer w0.254: v1(47.816,9.017) 47.816,39.917 47.828,39.929 v1(47.816,39.941)
U5_TX: U3.113 UART通讯5.2 | length 48.1
  Top Layer w0.254: U3.113 46.316,40.806 46.99,40.132 v1(46.99,39.116) ; v1(46.99,8.128) 56.261,8.128 UART通讯5.2
  Bottom Layer w0.254: v1(46.99,8.128) v1(46.99,39.116)
U_RX: U2.8 U3.102 | length 50.4
  Top Layer w0.254: U2.8 30.861,9.779 33.148,12.066 36.831,12.066 37.592,12.827 v1(38.608,12.827) ; v1(38.606,48.397) 39.106,47.897 U3.102
  Bottom Layer w0.254: v1@38.606,12.827 v1(38.606,48.397)
U_TX: U2.9 U3.101 | length 51.4
  Top Layer w0.254: U2.9 30.345,10.279 32.893,12.827 v1(35.941,12.827) ; v1(35.941,49.403) 38.606,49.403 39.612,48.397 U3.101
  Bottom Layer w0.254: v1(35.941,12.827) v1(35.941,49.403)
VCC3.3M: C8.2 C9.1 C10.1 C11.1 C12.1 C13.1 C14.1 C15.1 C16.1 C17.1 C18.1 C19.1 C20.1 C21.1 R3.2 R4.2 R6.2 R7.1 R10.1 R16.2 R17.2 R18.1 R20.1 Remote.3 STLINK.4 U3.6 U3.17 U3.30 U3.39 U3.52 U3.62 U3.72 U3.84 U3.95 U3.108 U3.121 U3.131 U3.144 | length 401.7
  Top Layer w0.254: STLINK.4 28.575,24.384 v1(35.179,24.384) ; C17.1 27.811,51.478 28.489,50.8 v1(30.988,50.8) 31.585,51.397 U3.95 ; C16.1 27.811,57.402 29.079,56.134 v1(30.988,56.134) v1(35.179,56.134) 35.941,56.897 U3.84 ; C18.1 32.639,38.481 v1(35.179,41.021) 39.055,44.897 U3.108 ; v1(35.179,64.897) 43.815,64.897 ; C8.2 R6.2 39.624,9.271 39.624,7.747 Remote.3 ; C15.1 43.307,73.787 43.815,73.279 43.815,72.644 ; U3.72 43.815,64.897 ; U3.62 49.316,68.538 48.514,69.34 48.514,71.346 C14.1@49.814,72.646 ; C19.1 v1(50.927,30.861) C20.1 55.88,30.86 ; U3.121 50.316,34.901 50.927,34.29 v1(50.927,30.861) ; R16.2 R18.1 ; U3.52 54.316,68.62 53.721,69.215 53.721,72.644 ; C20.1@54.737,31.241 C20.1@54.739,31.241 ; U3.131 55.316,34.854 55.88,34.29 55.88,30.86 ; U3.39 v1@60.816,68.58 ; v1(60.816,76.454) 60.833,76.471 R3.2 ; v1(60.833,68.58) v1(82.677,68.58) C12.1 ; v1(60.833,72.644) 53.721,72.644 ; U3.144 61.816,41.212 63.119,39.909 63.119,30.86 ; U3.6 C9.1@76.429,47.397 ; U3.17 v1(75.438,52.897) 76.642,52.897 C10.1 ; U3.30 69.923,59.397 70.265,59.055 74.803,59.055 v1(75.438,58.42) 75.743,58.115 78.74,58.115 ; v1(75.438,30.861) v1(75.438,30.861) C21.1 63.119,30.86 ; C11.1 78.614,58.241 78.74,58.115 ; R17.2 90.551,58.164 90.55,58.165 v1(82.677,58.166) v1(82.677,58.166) 82.626,58.115 78.74,58.115 ; 43.815,64.897 43.815,72.644 ; 43.815,72.644 43.817,72.646 C14.1@49.814,72.646 ; C14.1@49.814,72.646 C14.1 49.818,72.644 53.721,72.644 ; 55.88,30.86 63.119,30.86
  Bottom Layer w0.254: v1(30.988,50.8) v1(30.988,56.134) ; v1(35.179,64.897) v1(35.179,56.134) v1(35.179,41.021) v1(35.179,24.384) 35.179,9.525 Remote.3 ; v1(50.927,21.336) v1(50.927,30.861) ; v1@60.816,68.58 v1(60.816,76.454) ; v1(75.438,30.861) v1(75.438,47.371) v1(75.438,52.897) v1(75.438,58.42) ; v1(82.677,58.166) v1(82.677,68.58)
  Bottom Layer w0.305: R7.1 74.359,12.066 ; v1(74.359,30.861) 74.359,12.066 ; R4.2 74.359,12.066
VDDA: C34.2 C35.2 R13.2 R17.1 U3.33 | length 27.3
  Top Layer w0.254: R17.1 91.503,60.896 U3.33@64.317,60.896 ; U3.33 U3.33@64.317,60.896
VREF+: C25.2 R13.1 U3.32 | length 19
  Top Layer w0.254: U3.32 79.549,60.397 R13.1 82.541,59.428 C25.2
Z+1: 左编码器.7
Z+2: 右编码器.7
Z-1: 左编码器.8
Z-2: 右编码器.8
pads on no net: RJ45.4 RJ45.5 RJ45.6 RJ45.7 RJ45.8 RJ45.9 RJ45.10 RJ45.11 RJ45.12 RJ45.13 RJ45.14 RJ46.4 RJ46.5 RJ46.6 RJ46.7 RJ46.8 RJ46.9 RJ46.10 RJ46.11 RJ46.12 RJ46.13 RJ46.14 SRQ.1 SRQ.2 U1.5 U2.4 U2.5 U2.6 U3.1 U3.2 U3.3 U3.4 U3.5 U3.7 U3.10 U3.11 U3.12 U3.13 U3.19 U3.22 U3.27 U3.28 U3.29 U3.34 U3.35 U3.40 U3.42 U3.43 U3.44 U3.45 U3.46 U3.47 U3.49 U3.50 U3.53 U3.54 U3.55 U3.56 U3.57 U3.58 U3.59 U3.60 U3.63 U3.64 U3.65 U3.66 U3.67 U3.68 U3.75 U3.76 U3.77 U3.78 U3.79 U3.80 U3.81 U3.82 U3.85 U3.86 U3.87 U3.88 U3.89 U3.90 U3.91 U3.92 U3.93 U3.98 U3.99 U3.110 U3.114 U3.115 U3.118 U3.119 U3.122 U3.123 U3.125 U3.126 U3.127 U3.128 U3.132 U3.133 U3.134 U3.135 U3.142 右编码器.9 右编码器.10 右编码器.11 右编码器.12 左编码器.9 左编码器.10 左编码器.11 左编码器.12
copper on no net:
  other v2: 5,5 95,5 5,95 95,95

## Keep-outs
Keep-Out Layer:
  lines w0.254: 0,0 100,0 100,100 0,100 0,0

## Silkscreen, mask and mechanical layers (free items; w line width, h text height)
Top Overlay:
  lines w0.2: 23.812,48.26 23.812,49.784 28.067,49.784 28.067,48.26 23.812,48.26 ; 29.591,79.375 29.591,82.169 34.925,82.169 34.925,79.375 29.591,79.375 ; 44.323,11.43 49.911,11.43 49.911,12.954 44.323,12.954 44.323,11.43
  text "CANH CANL" at 10.922,89.408 h1.52
  text "VCC IO CLK GND" at 37.211,21.717 h1.52
  text "R3D903-2019-1-10" at 51.562,13.208 h2.03

## Dimensions
100,100 to 0,100 on Top Overlay
5,95 to 95,95 on Top Overlay
5,95 to 5,5 on Top Overlay
0,0 to 0,100 on Top Overlay

## Text inside footprints (layer, text, board x,y; h text height)
右编码器: Bottom Overlay "11" at 4.166,37.884 h1.52 r270; Bottom Overlay "12" at 6.274,37.833 h1.52 r270; Bottom Overlay "1" at 4.318,48.196 h1.52 r270; Bottom Overlay "2" at 6.35,48.094 h1.52 r270
左编码器: Bottom Overlay "11" at 4.166,22.295 h1.52 r270; Bottom Overlay "12" at 6.274,22.244 h1.52 r270; Bottom Overlay "1" at 4.318,32.607 h1.52 r270; Bottom Overlay "2" at 6.35,32.505 h1.52 r270